# KiCad board Monorail_Steam_Reduced.kicad_pcb (continued)
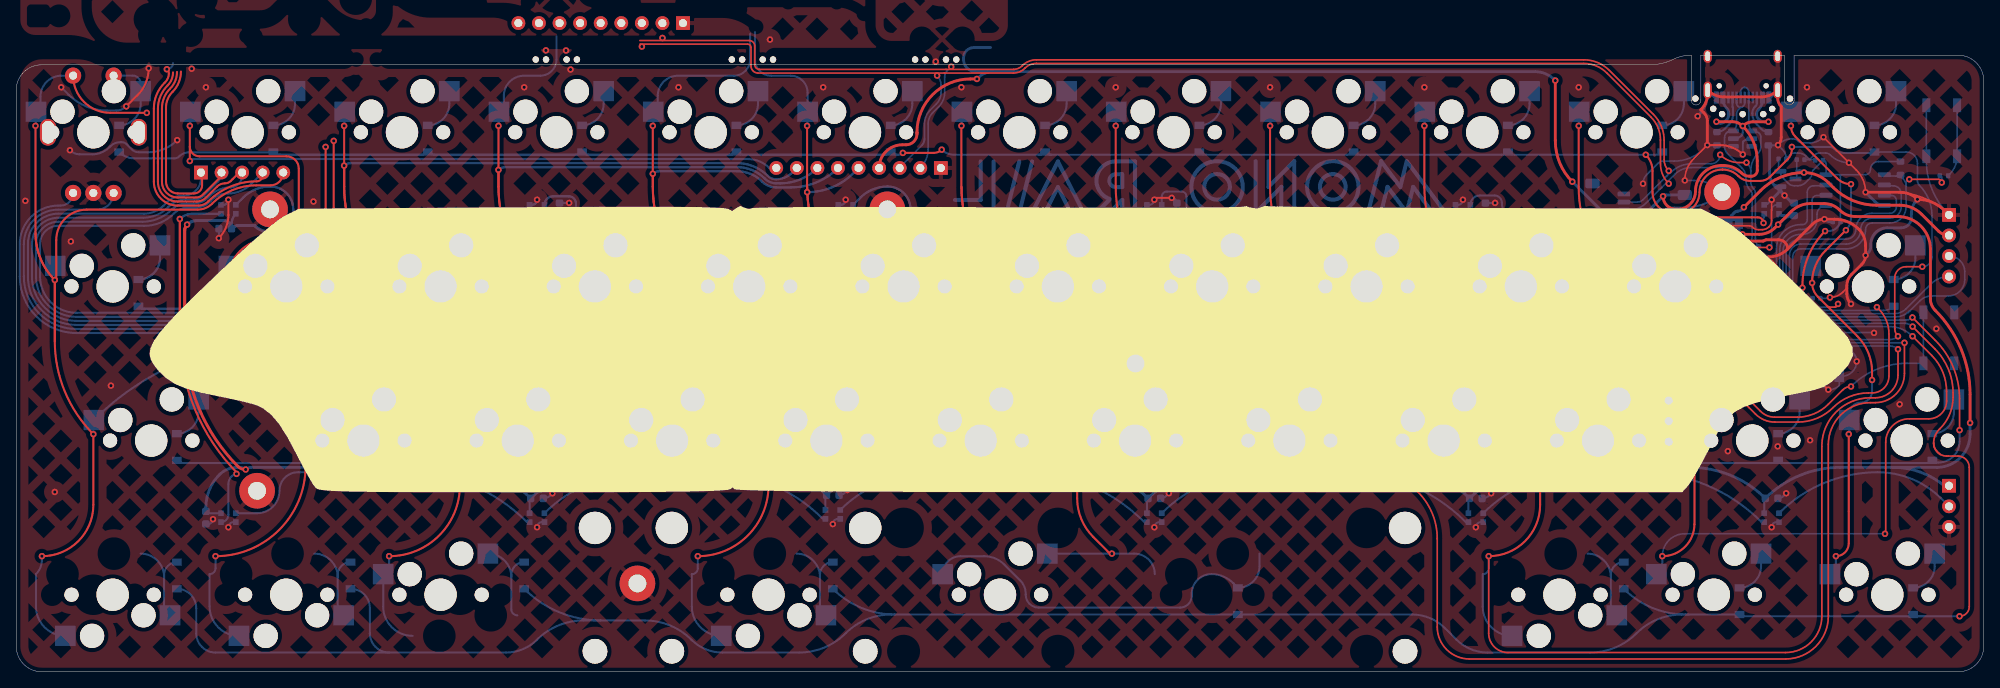
[diagram p0: board, top side]
## Routing (per net, layer and track width the routed paths; a pad name or vN(x,y) marks a point on that pad's centre or on a via; arc(x,y) is an arc through that point) (continued)
D-: length 192.7
  Top w0.2: 76.99,77.56 90.3,77.56 arc(90.59,77.44) 90.71,77.15 90.71,74.87 arc(90.97,74.25) 91.58,73.99 123.09,73.99 arc(123.86,74.14) 124.5,74.58 124.52,74.6 arc(125.17,75.03) 125.94,75.18 193.51,75.18 arc(195.04,74.88) 196.34,74.01 201.8,68.55 arc(202.67,67.25) 202.97,65.72 202.97,62.78 arc(203.24,61.45) v1(203.99,60.32)
  Bottom w0.2: 212.86,69.75 212.62,69.5 arc(212.43,69.22) 212.37,68.89 212.37,67.75 arc(212.27,67.25) U1.6 ; 212.86,69.75 212.91,69.75 arc(213.03,69.77) 213.13,69.84 213.21,69.92 arc(213.33,70.1) 213.37,70.31 J6.A7 ; 212.86,69.75 arc(212.68,69.78) 212.53,69.89 arc(212.41,70.06) 212.37,70.26 J6.B7 ; 213.52,61.12 213.52,60.85 arc(213.67,60.1) 214.09,59.46 arc(214.24,59.24) 214.29,58.98 214.29,53.87 arc(214.15,53.17) R10.2 ; 213.52,61.12 arc(213.4,61.72) 213.06,62.23 211.22,64.07 arc(210.98,64.43) 210.89,64.86 210.89,66.03 arc(210.95,66.35) 211.13,66.61 arc(211.37,66.77) 211.66,66.83 ; 213.52,61.12 arc(212.2,62) 210.64,62.31 206.77,62.31 arc(205.67,62.09) 204.74,61.47 201.22,57.94 arc(200.22,57.28) 199.05,57.05 ; J3.3 109.06,62.32 111.8,65.06 arc(112.04,65.42) 112.13,65.85 ; v1(113.68,73.68) arc(114.04,73.14) 114.17,72.5 114.17,71.58 arc(114.02,70.82) 113.58,70.17 112.85,69.44 arc(112.31,68.63) 112.12,67.67 112.12,65.85 arc(112.03,65.42) 111.79,65.06 ; 77.23,77.27 arc(77.23,77.27) v1(77.24,77.26)
ENCA: length 282.1
  Top w0.2: v1(220.43,39.5) 220.43,36.7 arc(220.14,35.99) 219.42,35.69 216.42,35.69 arc(215.87,35.58) 215.41,35.28 arc(215.16,35.1) 214.85,35.04 214.83,35.04 arc(214.05,35.2) 213.4,35.63 213.18,35.86 arc(212.87,36.06) 212.51,36.13 211.54,36.13 arc(211.11,36.05) 210.76,35.81 210.65,35.71 arc(210.12,35.35) 209.5,35.23 arc(208.76,35.38) 208.14,35.79 207.63,36.3 arc(206.3,38.29) 205.83,40.65 v1(205.83,42.1)
  Top w0.25: v1(39.19,65.61) 39.19,57.27 arc(40.23,52.04) 43.19,47.61 arc(44.49,45.67) 44.94,43.39 v1(44.94,42.11)
  Bottom w0.2: U4.15 220.36,39.43 arc(220.41,39.45) v1(220.43,39.5)
  Bottom w0.25: 48.44,41.86 45.19,41.86 arc(45.02,41.94) v1(44.94,42.11) ; 48.44,41.86 132.56,41.86 arc(133.34,42.02) 134,42.46 ; 48.44,41.86 arc(48.12,41.93) 47.84,42.11 arc(47.56,42.3) 47.24,42.36 7.44,42.36 arc(2.85,44.27) 0.94,48.86 0.94,52.86 arc(2.19,55.87) 5.19,57.11 9.96,57.11 arc(11.42,57.72) SW3.A ; v1(205.83,42.1) arc(205.57,41.92) 205.26,41.86 143.86,41.86 arc(143.08,42.02) 142.41,42.46 arc(140.53,43.72) 138.31,44.16 138.12,44.16 arc(135.89,43.72) 134.01,42.46
ENCB: length 271
  Top w0.25: v1(38.19,64.86) 38.19,56.62 arc(39.3,51.07) 42.44,46.36 arc(43.18,45.25) 43.44,43.95 v1(43.44,41.61)
  Bottom w0.2: U4.36 209.63,43.06 arc(208.58,42.85) 207.69,42.26 arc(206.7,41.6) 205.52,41.36 205.39,41.36
  Bottom w0.25: 205.39,41.36 143.8,41.36 arc(142.89,41.54) 142.11,42.06 arc(140.34,43.25) 138.25,43.66 138.17,43.66 arc(136.08,43.25) 134.31,42.06 arc(133.54,41.54) 132.62,41.36 ; 132.61,41.36 44.19,41.36 ; 44.19,41.36 31.94,41.36 arc(31.62,41.43) 31.34,41.61 arc(31.06,41.8) 30.74,41.86 ; 44.19,41.36 44.05,41.36 arc(43.72,41.43) v1(43.44,41.61) arc(43.17,41.8) 42.84,41.86 7.44,41.86 arc(2.49,43.91) 0.44,48.86 0.44,52.86 arc(1.83,56.22) 5.19,57.61 5.46,57.61 arc(6.57,58.07) SW3.B
LED1: length 269.1
  Top w0.25: 20.33,74.17 arc(20.06,72.81) 19.29,71.66 arc(18.7,70.78) 18.49,69.73 18.49,60.56 arc(18.92,59.54) 19.94,59.11 21.94,59.11 arc(22.65,59.41) 22.94,60.11 22.94,61.56 arc(22.9,61.66) J4.1
  Bottom w0.2: 205.94,42.86 207.33,42.86 arc(207.85,42.97) 208.29,43.26 arc(208.52,43.41) 208.78,43.46 U4.37
  Bottom w0.25: 205.94,42.86 143.84,42.86 arc(143.44,42.94) 143.11,43.16 arc(140.9,44.64) 138.28,45.16 138.14,45.16 arc(135.53,44.64) 133.31,43.16 arc(132.98,42.94) 132.59,42.86 ; J4.1 22.81,60.97 arc(22.19,59.48) 20.69,58.86 arc(19.54,58.63) 18.56,57.98 18.19,57.61 arc(17.09,56.87) 15.78,56.61 5.19,56.61 arc(2.54,55.51) 1.44,52.86 1.44,48.86 arc(3.2,44.62) 7.44,42.86 132.58,42.86 arc(132.97,42.94) 133.3,43.16
LED2: length 272.2
  Top w0.25: 25.35,61.7 arc(25.27,61.3) 25.04,60.96 23.05,58.97 arc(22.66,58.7) 22.19,58.61 19.94,58.61 arc(18.56,59.18) 17.99,60.56 17.99,69.65 arc(18.25,70.95) 18.99,72.06 arc(19.63,73.01) 19.85,74.13
  Bottom w0.2: 205.94,43.36 207.37,43.36 arc(207.76,43.44) 208.09,43.66 arc(208.32,43.81) 208.58,43.86 U4.38
  Bottom w0.25: 205.94,43.36 143.91,43.36 arc(143.63,43.42) 143.4,43.57 143.31,43.66 arc(141.1,45.14) 138.48,45.66 137.96,45.66 arc(135.38,45.15) 133.19,43.69 arc(132.83,43.45) 132.4,43.36 ; 133.18,43.69 arc(132.82,43.45) 132.4,43.36 7.44,43.36 arc(3.55,44.97) 1.94,48.86 1.94,52.86 arc(2.9,55.16) 5.19,56.11 15.68,56.11 arc(17.31,56.44) 18.69,57.36 18.81,57.48 arc(19.79,58.13) 20.94,58.36 21.99,58.36 arc(22.64,58.49) 23.19,58.86 24.86,60.53 arc(25.22,61.07) 25.35,61.7
LED3: length 276.5
  Top w0.25: 17.49,63.06 17.49,69.57 arc(17.81,71.13) 18.69,72.46 arc(19.19,73.2) 19.36,74.07 ; 17.49,63.06 17.49,60.56 arc(18.21,58.83) 19.94,58.11 22.24,58.11 arc(22.89,58.24) 23.44,58.61 24.78,59.95 arc(25.24,60.26) 25.78,60.36 arc(26.16,60.44) 26.49,60.66 27.28,61.45 arc(27.56,61.63) 27.89,61.7 ; 17.49,63.06 17.49,62.77
  Bottom w0.2: 205.94,43.86 207.41,43.86 arc(207.67,43.91) 207.89,44.06 arc(208.12,44.21) 208.38,44.26 U4.39
  Bottom w0.25: 205.94,43.86 144.09,43.86 arc(143.83,43.91) 143.61,44.06 arc(141.28,45.62) 138.54,46.16 137.87,46.16 arc(135.21,45.63) 132.96,44.13 arc(132.67,43.93) 132.31,43.86 ; 27.89,61.7 27.89,61.3 arc(27.46,60.28) 26.44,59.86 arc(25.06,59.59) 23.88,58.8 23.69,58.61 arc(22.86,58.06) 21.88,57.86 21,57.86 arc(20.02,57.67) 19.19,57.11 arc(17.53,56) 15.57,55.61 5.19,55.61 arc(3.25,54.81) 2.44,52.86 2.44,48.86 arc(3.91,45.33) 7.44,43.86 132.31,43.86 arc(132.66,43.93) 132.96,44.13
QSPI_CLK: length 16.4
  Bottom w0.2: U4.52 217.69,52.06 arc(218.46,53.9) 220.29,54.66 220.49,54.66 arc(221.34,55.01) 221.69,55.86 221.69,58.26 arc(221.87,58.69) 222.29,58.86 223.38,58.86 arc(223.4,58.87) U3.6
QSPI_D0: length 14.5
  Bottom w0.2: U4.53 218.09,51.86 arc(218.74,53.42) 220.29,54.06 220.49,54.06 arc(221.77,54.59) 222.29,55.86 222.29,56.51 arc(222.62,57.3) U3.5
QSPI_D1: length 26.7
  Bottom w0.2: U4.55 218.89,51.46 arc(219.3,52.45) 220.29,52.86 225.89,52.86 arc(227.17,53.39) 227.69,54.66 arc(228.1,55.65) 229.09,56.06 231.29,56.06 arc(232.28,56.47) 232.69,57.46 232.69,59.06 arc(232.4,59.77) 231.69,60.06 230.72,60.06 arc(230.64,60.09) U3.2
QSPI_D2: length 24.9
  Bottom w0.2: U4.54 218.49,51.66 arc(219.02,52.94) 220.29,53.46 225.89,53.46 arc(226.74,53.81) 227.09,54.66 arc(227.68,56.08) 229.09,56.66 231.29,56.66 arc(231.86,56.9) 232.09,57.46 232.09,58.26 arc(231.92,58.69) 231.49,58.86 230.65,58.86 arc(230.62,58.87) U3.3
QSPI_D3: length 18.1
  Bottom w0.2: U4.51 217.29,52.26 arc(218.17,54.38) 220.29,55.26 220.49,55.26 arc(220.92,55.44) 221.09,55.86 221.09,59.26 arc(221.33,59.83) 221.89,60.06 223.31,60.06 arc(223.38,60.09) U3.7
QSPI_SS: length 35.1
  Top w0.2: v1(233.69,60.86) 237.29,60.86 arc(237.58,60.75) v1(237.69,60.46)
  Bottom w0.2: U4.56 219.29,51.26 arc(219.59,51.97) 220.29,52.26 225.89,52.26 arc(227.59,52.97) 228.29,54.66 arc(228.53,55.23) 229.09,55.46 231.29,55.46 arc(232.71,56.05) 233.29,57.46 233.29,60.06 ; 233.29,60.06 233.29,60.46 arc(233.41,60.75) v1(233.69,60.86) ; 233.29,60.06 arc(232.94,60.91) 232.09,61.26 230.79,61.26 arc(230.66,61.31) U3.1 ; v1(237.69,60.46) 237.69,61.08 arc(237.63,61.24) R9.1 arc(237.36,61.38) 237.24,61.4
RGB: length 25.3
  Top w0.2: v1(216.42,52.44) 211.27,52.44 arc(210.3,52.04) 209.89,51.06 209.89,50.86 arc(209.48,49.87) v1(208.49,49.46)
  Bottom w0.2: U4.41 209.29,45.06 arc(208.3,45.47) 207.89,46.46 207.89,48.86 arc(208.07,49.29) v1(208.49,49.46) ; D27.4 217.33,57.7 arc(216.88,57.51) 216.69,57.06 216.69,52.71 arc(216.61,52.52) v1(216.42,52.44)
RGB_OUT: length 24.1
  Bottom w0.25: 238.99,20.05 237.62,21.42 arc(234.03,23.82) 229.79,24.66 arc(223.21,23.35) 217.63,19.63
ROW0: length 356
  Top w0.2: v1(235.29,50.06) 233.29,50.06 arc(232.3,49.65) 231.89,48.66 231.89,42.43 arc(232,41.91) v1(232.29,41.46)
  Top w0.25: v1(219.19,64.86) 219.19,64.57 arc(219.06,63.92) 218.69,63.36 216.49,61.16 arc(215.94,60.79) 215.29,60.66 214.04,60.66 arc(213.26,60.82) 212.59,61.26 arc(211.71,61.85) 210.66,62.06 210.59,62.06 arc(208.61,61.24) 207.79,59.26 arc(207.03,57.42) 205.19,56.66 204.59,56.66 arc(202.76,57.42) 201.99,59.26 201.99,61.88 arc(201.78,62.97) v1(201.16,63.9) ; v1(109.45,64.12) 113.28,64.12 arc(113.81,64.23) v1(114.25,64.52)
  Bottom w0.2: U4.12 231.33,41.06 arc(231.85,41.17) v1(232.29,41.46) ; D21.1 233.33,64.23 arc(234.29,63.83) 234.69,62.86 234.69,60.72 arc(234.76,60.39) 234.94,60.11 arc(236.09,58.4) 236.49,56.37 236.49,51.26 arc(236.14,50.41) v1(235.29,50.06)
  Bottom w0.25: v1(219.19,64.86) 223.84,64.86 arc(224.17,64.8) 224.44,64.61 arc(225,64.24) 225.65,64.11 229.11,64.11 arc(229.26,64.14) D21.1 arc(229.36,64.25) 229.32,64.26 ; v1(114.25,64.52) arc(114.95,64.06) 115.77,63.9 126.19,63.9 arc(126.63,63.98) D16.1 arc(127.37,63.98) 127.81,63.9 145.24,63.9 arc(145.68,63.98) D17.1 arc(146.42,63.98) 146.86,63.9 164.29,63.9 arc(164.73,63.98) D18.1 arc(165.47,63.98) 165.91,63.9 183.34,63.9 arc(183.78,63.98) D19.1 arc(184.52,63.98) 184.96,63.9 v1(201.16,63.9) 202.39,63.9 arc(202.83,63.98) D20.1 ; 127.82,63.9 arc(127.38,63.98) 127.01,64.23 arc(126.64,63.98) 126.2,63.9 ; v1(109.45,64.12) arc(109.2,63.96) 108.9,63.9 108.77,63.9 arc(108.33,63.98) 107.96,64.23 arc(107.59,63.98) 107.15,63.9 89.72,63.9 arc(89.28,63.98) 88.91,64.23 arc(88.54,63.98) 88.1,63.9 70.67,63.9 arc(70.23,63.98) 69.86,64.23 arc(69.49,63.98) 69.05,63.9 51.62,63.9 arc(51.18,63.98) 50.81,64.23 arc(50.44,63.98) 50,63.9 32.57,63.9 arc(32.13,63.98) 31.76,64.23 ; 108.76,63.9 arc(108.32,63.98) D15.1 arc(107.58,63.98) 107.14,63.9 89.71,63.9 arc(89.27,63.98) D14.1 arc(88.53,63.98) 88.09,63.9 70.66,63.9 arc(70.22,63.98) D13.1 arc(69.48,63.98) 69.04,63.9 51.61,63.9 arc(51.17,63.98) D12.1 arc(50.43,63.98) 49.99,63.9 32.56,63.9 arc(32.12,63.98) D11.1 arc(31.72,64.21) 31.67,64.2 21.34,64.2 arc(20.69,64.07) 20.13,63.7 arc(19.85,63.51) 19.53,63.45 14.59,63.45 arc(13.57,63.65) D10.1
ROW1: length 391.7
  Top w0.2: v1(229.69,45.06) 229.89,44.86 arc(230.85,43.44) 231.18,41.76 231.18,36.55 arc(230.57,35.07) 229.09,34.46 228.64,34.46 arc(226.29,33.99) 224.29,32.66 arc(222.3,31.33) 219.95,30.86 217.09,30.86 arc(215.8,31.12) 214.7,31.85 213.89,32.66 arc(212.56,33.55) 211,33.86 209.51,33.86 arc(208.2,34.12) 207.09,34.86 202.44,39.52 arc(200.56,42.34) v1(199.89,45.66)
  Bottom w0.2: 192.09,46.66 194.39,48.96 arc(194.45,49.05) D28.1 ; 192.09,46.66 197.48,46.66 arc(198.79,46.4) v1(199.89,45.66) ; 192.09,46.66 191.29,45.86 ; U4.3 222.89,44.66 ; 222.89,44.66 230.52,44.66 arc(231.2,44.8) D39.1 ; 222.89,44.66 223.21,44.66
  Bottom w0.25: D35.1 arc(131.39,44.93) 130.96,44.85 113.52,44.85 arc(113.08,44.93) D34.1 arc(112.36,44.95) 111.94,44.86 94.43,44.86 arc(94.02,44.95) D33.1 arc(93.31,44.95) 92.89,44.86 75.38,44.86 arc(74.97,44.95) D32.1 arc(74.26,44.95) 73.84,44.86 56.33,44.86 arc(55.92,44.95) D31.1 arc(55.21,44.95) 54.79,44.86 37.28,44.86 arc(36.87,44.95) D30.1 arc(36.16,44.95) 35.74,44.86 15.85,44.86 arc(15.43,44.95) D29.1 ; 131.78,45.18 arc(131.41,44.93) 130.97,44.85 ; 132.12,44.86 arc(132.38,44.91) 132.6,45.06 arc(134.93,46.62) 137.67,47.16 ; 191.29,45.86 arc(190.54,45.36) 189.65,45.18 D38.1 arc(188.54,44.93) 188.11,44.85 170.67,44.85 arc(170.23,44.93) D37.1 arc(169.49,44.93) 169.06,44.85 151.62,44.85 arc(151.18,44.93) D36.1 arc(150.46,44.95) 150.04,44.86 144.48,44.86 arc(144.22,44.91) 143.99,45.06 arc(141.67,46.62) 138.92,47.16 137.66,47.16 arc(134.92,46.62) 132.59,45.06 arc(132.37,44.91) 132.11,44.86 ; 15.09,45.18 arc(15.44,44.95) 15.86,44.86 35.75,44.86 arc(36.17,44.95) 36.52,45.18 arc(36.88,44.95) 37.29,44.86 54.8,44.86 arc(55.22,44.95) 55.57,45.18 arc(55.93,44.95) 56.34,44.86 73.85,44.86 arc(74.27,44.95) 74.62,45.18 arc(74.98,44.95) 75.39,44.86 92.9,44.86 arc(93.32,44.95) 93.67,45.18 arc(94.03,44.95) 94.44,44.86 111.95,44.86 arc(112.37,44.95) 112.72,45.18 arc(113.09,44.93) 113.53,44.85 130.97,44.85 arc(131.4,44.93) 131.77,45.18 ; 132.13,44.86 arc(132.39,44.91) 132.61,45.06 arc(134.94,46.62) 137.68,47.16 138.94,47.16 arc(141.68,46.62) 144.01,45.06 arc(144.23,44.91) 144.49,44.86
ROW2: length 255
  Top w0.2: v1(239.89,29.86) 239.89,33.74 arc(239.12,37.65) 236.9,40.96 v1(234.08,43.79)
  Bottom w0.2: U4.6 233.3,43.46 arc(233.72,43.55) v1(234.08,43.79)
  Bottom w0.25: v1(239.89,29.86) 239.89,28.46 arc(239.13,26.62) 237.29,25.86 236.81,25.86 arc(236.62,25.94) D51.1 arc(236.17,25.88) 235.73,25.8 218.29,25.8 arc(217.86,25.88) D50.1 arc(217.12,25.88) 216.68,25.8 199.24,25.8 arc(198.81,25.88) D49.1 arc(198.07,25.88) 197.63,25.8 180.19,25.8 arc(179.76,25.88) D48.1 arc(179.02,25.88) 178.58,25.8 161.14,25.8 arc(160.71,25.88) D47.1 arc(159.97,25.88) 159.53,25.8 142.09,25.8 arc(141.66,25.88) D46.1 arc(140.92,25.88) 140.48,25.8 123.04,25.8 arc(122.61,25.88) D45.1 arc(121.87,25.88) 121.43,25.8 103.99,25.8 arc(103.56,25.88) D44.1 arc(102.82,25.88) 102.38,25.8 84.94,25.8 arc(84.51,25.88) D43.1 arc(83.77,25.88) 83.33,25.8 65.89,25.8 arc(65.46,25.88) D42.1 arc(64.72,25.88) 64.28,25.8 46.84,25.8 arc(46.41,25.88) D41.1 arc(45.67,25.88) 45.23,25.8 20.65,25.8 arc(20.21,25.88) D40.1
ROW3: length 329.6
  Top w0.2: v1(234.09,42.66) 236.83,39.93 arc(238.51,37.42) 239.09,34.46 239.09,33.93 arc(238.68,31.83) 237.49,30.06 237.4,29.97 arc(236.88,29.19) 236.69,28.26 ; 237.49,26.86 237.12,27.24 arc(236.8,27.71) 236.69,28.26 ; 236.69,28.26 arc(237.16,27.13) 238.29,26.66 239.69,26.66 arc(240.68,26.25) 241.09,25.26 241.09,8.06 arc(240.74,7.21) v1(239.89,6.86)
  Bottom w0.2: U4.7 233.13,43.06 arc(233.65,42.96) v1(234.09,42.66)
  Bottom w0.25: 72.14,6.35 70.04,6.35 arc(66.93,5.73) 64.29,3.97 arc(62.54,2.79) 60.46,2.38 46.04,2.38 ; 72.14,6.35 77.59,6.35 arc(80.71,5.73) 83.34,3.97 arc(85.1,2.79) 87.18,2.38 96.64,2.38 arc(99.76,3) 102.39,4.76 arc(104.96,6.48) 107.99,7.08 108.47,7.08 ; 72.14,6.35 arc(67.03,7.37) D60.1 ; 206.44,7.08 D64.1 arc(212.97,6.92) 213.25,6.86 235.46,6.86 ; 206.44,7.08 206.1,7.08 arc(201.95,7.91) D62.1 ; 206.44,7.08 205.62,7.08 arc(202.59,6.48) 200.03,4.76 arc(197.39,3) 194.28,2.38 181.63,2.38 arc(179.56,2.79) 177.8,3.97 176.37,5.4 arc(174.51,6.64) 172.31,7.08 D63.1 108.47,7.08 ; 235.46,6.86 234.68,6.86 arc(234.4,6.92) D65.1 ; 235.46,6.86 v1(239.89,6.86) ; 46.04,2.38 24.61,2.38 arc(22.92,3.08) 22.23,4.76 22.23,7.88 arc(21.53,9.56) D58.1 ; 46.04,2.38 arc(44.35,3.08) 43.66,4.76 43.66,7.88 arc(42.96,9.56) D59.1 ; 108.47,7.08 arc(104.32,7.91) D61.1
ROW4: length 287.5
  Top w0.25: 30.43,61.7 30.43,61.34 arc(30.21,60.83) 29.69,60.61 arc(26.46,59.97) 23.72,58.14 23.69,58.11 arc(23.14,57.74) 22.49,57.61 19.94,57.61 arc(17.86,58.48) 16.99,60.56 16.99,69.62 arc(17.33,71.32) 18.29,72.76 18.39,72.86 arc(18.73,73.36) 18.84,73.96 arc(18.8,74.19) 18.66,74.39 v1(18.59,74.46)
  Bottom w0.2: 205.94,44.36 207.45,44.36 arc(207.58,44.39) 207.69,44.46 arc(207.92,44.61) 208.18,44.66 U4.40
  Bottom w0.25: 30.43,61.7 29,60.28 arc(27.71,59.41) 26.19,59.11 arc(25.04,58.88) 24.06,58.23 23.94,58.11 arc(23.11,57.56) 22.13,57.36 21.25,57.36 arc(20.27,57.17) 19.44,56.61 arc(17.78,55.5) 15.82,55.11 5.19,55.11 arc(3.6,54.45) 2.94,52.86 2.94,48.86 arc(4.26,45.68) 7.44,44.36 132.18,44.36 arc(132.52,44.43) 132.81,44.62 arc(135.07,46.13) 137.74,46.66 ; 205.94,44.36 144.29,44.36 arc(144.03,44.41) 143.81,44.56 arc(141.48,46.12) 138.74,46.66 137.74,46.66 arc(135.08,46.13) 132.81,44.62 arc(132.53,44.43) 132.19,44.36 ; v1(18.59,74.46) arc(19.13,74.68) 19.35,75.22
RUN: length 39.4
  Top w0.2: v1(226.49,35.26) arc(225.94,35.15) 225.47,34.84 223.69,33.06 arc(221.92,31.88) 219.83,31.46 217.1,31.46 arc(216.14,31.65) 215.33,32.2 212.5,35.02 arc(212.19,35.23) v1(211.83,35.3)
  Bottom w0.2: U4.26 214.89,38.9 arc(214.84,38.64) 214.7,38.42 214.55,38.27 arc(213.83,37.79) R12.2 212.98,36.45 arc(212.65,35.64) v1(211.83,35.3) ; 235.43,44.42 SWR2.2 233.4,38.12 arc(229.66,37.38) v1(226.49,35.26)
SCL: length 26.8
  Bottom w0.2: 233.55,44.4 233.77,44.62 ; 233.77,44.62 234.98,45.82 arc(235.67,46.29) 236.49,46.45 238.52,46.45 arc(239.94,47.04) 240.53,48.46 240.53,49.44 arc(239.97,50.81) J8.3 ; 233.77,44.62 arc(232.93,44.06) 231.94,43.86 U4.5
SDA: length 20.1
  Bottom w0.2: U4.4 231.85,44.26 arc(232.63,44.42) 233.29,44.86 236.34,47.91 arc(237.37,48.6) J8.4
SWCLK: length 19.6
  Bottom w0.2: U4.24 215.69,38.67 arc(215.6,38.22) 215.35,37.83 214.41,36.89 arc(213.98,36.25) 213.83,35.5 arc(213.32,34.25) 212.07,33.74 206.65,33.74 arc(205.74,33.36) 205.37,32.46 205.37,29.81 arc(204.97,28.83) SWD1.1
SWDIO: length 15
  Bottom w0.2: U4.25 215.29,38.86 arc(215.21,38.46) 214.98,38.11 213.9,37.03 arc(213.55,36.51) 213.43,35.9 arc(212.95,34.74) 211.79,34.26 204.75,34.26 arc(204.21,34.04) SWD1.3
XIN: length 9.3
  Bottom w0.2: U4.20 217.29,38.99 arc(217.5,38.49) 218.01,38.28 221.55,38.28 arc(221.65,38.23) C19.1
  Bottom w0.25: C19.1 arc(222.24,37.76) 222.89,37.63 223.68,37.63 arc(224.15,37.73) 224.54,37.99 224.88,38.33 arc(225,38.51) Y1.3
XOUT: length 4.9
  Bottom w0.2: 216.89,38.63 U4.21 216.89,38.94 arc(217.22,38.15) 218.01,37.82 219.32,37.82 arc(219.58,37.72) R13.2
Net-(C6-Pad2): length 3
  Bottom w0.25: 220.71,37.63 220.9,37.44 arc(221.27,37.19) C22.2 221.95,37.11 arc(222.7,36.96) Y1.1
Net-(D7-Pad2): length 10.6
  Bottom w0.25: SW3.S2 14.38,73.67 arc(15.08,73.39) 15.37,72.69 15.37,70.2 arc(14.59,68.31) D10.2
Net-(D8-Pad2): length 5.7
  Bottom w0.25: 34.42,71.75 34.42,70.2 arc(33.64,68.31) D11.2
Net-(D9-Pad2): length 5.7
  Bottom w0.25: 53.47,71.75 53.47,70.2 arc(52.69,68.31) D12.2
Net-(D10-Pad2): length 5.7
  Bottom w0.25: 72.52,71.75 72.52,70.2 arc(71.74,68.31) D13.2
Net-(D11-Pad2): length 5.7
  Bottom w0.25: 91.57,71.75 91.57,70.2 arc(90.79,68.31) D14.2
Net-(D12-Pad2): length 5.7
  Bottom w0.25: 110.62,71.75 110.62,70.2 arc(109.84,68.31) D15.2
Net-(D13-Pad2): length 5.7
  Bottom w0.25: 129.67,71.75 129.67,70.2 arc(128.89,68.31) D16.2
Net-(D14-Pad2): length 5.7
  Bottom w0.25: 148.72,71.75 148.72,70.2 arc(147.94,68.31) D17.2
Net-(D15-Pad2): length 5.7
  Bottom w0.25: 167.77,71.75 167.77,70.2 arc(166.99,68.31) D18.2
Net-(D16-Pad2): length 5.7
  Bottom w0.25: 186.82,71.75 186.82,70.2 arc(186.04,68.31) D19.2
Net-(D17-Pad2): length 5.7
  Bottom w0.25: 205.87,71.75 205.87,70.2 arc(205.09,68.31) D20.2
Net-(D18-Pad2): length 5.7
  Bottom w0.25: 232.06,71.75 232.06,70.2 arc(231.28,68.31) D21.2
Net-(D19-Pad2): length 11.5
  Bottom w0.25: MX30.2 17.75,51.15 arc(16.97,49.26) D29.2 ; 17.76,52.7 17.76,51.15 arc(16.98,49.26) 15.09,48.48
Net-(D20-Pad2): length 11.5
  Bottom w0.25: 39.19,52.7 39.19,51.15 arc(38.41,49.26) 36.52,48.48 ; MX29.2 39.18,51.15 arc(38.4,49.26) D30.2
Net-(D21-Pad2): length 11.5
  Bottom w0.25: MX28.2 58.23,51.15 arc(57.45,49.26) D31.2 ; 58.24,52.7 58.24,51.15 arc(57.46,49.26) 55.57,48.48
Net-(D22-Pad2): length 11.5
  Bottom w0.25: 77.29,52.7 77.29,51.15 arc(76.51,49.26) 74.62,48.48 ; MX27.2 77.28,51.15 arc(76.5,49.26) D32.2
Net-(D23-Pad2): length 11.5
  Bottom w0.25: 96.34,52.7 96.34,51.15 arc(95.56,49.26) 93.67,48.48 ; MX26.2 96.33,51.15 arc(95.55,49.26) D33.2
Net-(D24-Pad2): length 11.5
  Bottom w0.25: MX25.2 115.38,51.15 arc(114.6,49.26) D34.2 ; 115.39,52.7 115.39,51.15 arc(114.61,49.26) 112.72,48.48
Net-(D25-Pad2): length 11.5
  Bottom w0.25: MX24.2 134.43,51.15 arc(133.65,49.26) D35.2 ; 134.44,52.7 134.44,51.15 arc(133.66,49.26) 131.77,48.48
Net-(D26-Pad2): length 5.7
  Bottom w0.25: MX19.2 153.48,51.15 arc(152.7,49.26) D36.2
Net-(D27-Pad2): length 5.7
  Bottom w0.25: MX23.2 172.53,51.15 arc(171.75,49.26) D37.2
Net-(D28-Pad2): length 5.7
  Bottom w0.25: MX22.2 191.58,51.15 arc(190.8,49.26) D38.2
Net-(D29-Pad2): length 19.1
  Bottom w0.25: D28.2 200.62,52.45 arc(201.42,52.61) 202.09,53.06 202.7,53.67 arc(203.8,54.41) 205.09,54.66 208.67,54.66 arc(210.06,54.09) MX21.2 arc(210.52,53.28) 210.19,53.77
Net-(D30-Pad2): length 5.7
  Bottom w0.25: MX20.2 234.44,51.15 arc(233.66,49.26) D39.2
Net-(D31-Pad2): length 7.3
  Bottom w0.25: MX42.2 22.51,32.1 arc(21.73,30.21) D40.2 ; 22.52,32.1 22.52,33.65
Net-(D32-Pad2): length 7.3
  Bottom w0.25: MX41.2 48.7,32.1 arc(47.92,30.21) D41.2 ; 48.71,32.1 48.71,33.65
Net-(D33-Pad2): length 7.3
  Bottom w0.25: 67.76,32.1 67.76,33.65 ; MX40.2 67.75,32.1 arc(66.97,30.21) D42.2
Net-(D34-Pad2): length 7.3
  Bottom w0.25: 86.81,32.1 86.81,33.65 ; MX39.2 86.8,32.1 arc(86.02,30.21) D43.2
Net-(D35-Pad2): length 7.3
  Bottom w0.25: 105.86,32.1 105.86,33.65 ; MX38.2 105.85,32.1 arc(105.07,30.21) D44.2
Net-(D36-Pad2): length 7.3
  Bottom w0.25: MX37.2 124.9,32.1 arc(124.12,30.21) D45.2 ; 124.91,32.1 124.91,33.65
Net-(D37-Pad2): length 5.7
  Bottom w0.25: MX36.2 143.95,32.1 arc(143.17,30.21) D46.2
Net-(D38-Pad2): length 5.7
  Bottom w0.25: MX35.2 163,32.1 arc(162.22,30.21) D47.2
Net-(D39-Pad2): length 5.7
  Bottom w0.25: MX34.2 182.05,32.1 arc(181.27,30.21) D48.2
Net-(D40-Pad2): length 5.7
  Bottom w0.25: MX33.2 201.1,32.1 arc(200.32,30.21) D49.2
Net-(D41-Pad2): length 5.7
  Bottom w0.25: MX32.2 220.15,32.1 arc(219.37,30.21) D50.2
Net-(D42-Pad2): length 5.7
  Bottom w0.25: MX31.2 239.2,32.1 arc(238.42,30.21) D51.2
Net-(D43-Pad2): length 12.4
  Bottom w0.25: 18.26,11.72 18.26,11.97 arc(18.72,13.09) D58.2 ; 18.26,11.72 18.26,7.72 arc(18.47,7.2) MX55.1 ; 18.26,11.72 arc(17.41,13.76) 15.37,14.6
Net-(D44-Pad2): length 12.4
  Bottom w0.25: 39.69,11.72 39.69,7.72 arc(39.9,7.2) MX53.2 ; 39.69,11.72 39.69,11.97 arc(40.15,13.09) D59.2 ; 39.69,11.72 arc(38.84,13.76) 36.8,14.6
Net-(D45-Pad2): length 12.4
  Bottom w0.25: 61.12,11.72 61.12,11.97 arc(61.58,13.09) D60.2 ; 61.12,11.72 61.12,7.72 arc(61.33,7.2) 61.85,6.98 ; 61.12,11.72 arc(60.27,13.76) MX52.2
Net-(D47-Pad2): length 12.4
  Bottom w0.25: 99.22,11.72 99.22,11.97 arc(99.68,13.09) D61.2 ; 99.22,11.72 99.22,7.72 arc(99.43,7.2) MX49.1 ; 99.22,11.72 arc(98.37,13.76) 96.33,14.6
Net-(D48-Pad2): length 49.7
  Bottom w0.25: 153.48,14.6 153.48,13.05 arc(152.7,11.16) D63.2 150.23,10.96 arc(149,11.78) 147.55,12.07 arc(145.83,11.36) 145.12,9.64 145.12,9.38 arc(144.69,8.36) 143.67,7.94 126.21,7.94 arc(125.08,8.4) 124.62,9.52 124.62,9.62 arc(124.44,10.54) 123.92,11.31 121.98,13.25 arc(120.83,14.02) 119.48,14.29 116.58,14.29 arc(115.01,13.64) MX48.1
Net-(D50-Pad2): length 9.7
  Bottom w0.25: MX45.2 arc(197.07,7.2) 196.85,7.72 196.85,11.72 arc(196,13.76) 193.96,14.6
Net-(D51-Pad2): length 5.7
  Bottom w0.25: MX44.2 215.39,13.05 arc(214.61,11.16) D64.2
Net-(D52-Pad2): length 5.7
  Bottom w0.25: MX43.2 236.82,13.05 arc(236.04,11.16) D65.2
Net-(D56-Pad2): length 40.9
  Bottom w0.25: D56.4 179.03,18.5 arc(178.95,18.52) 178.88,18.56 arc(172.12,23.08) 164.15,24.66 153.63,24.66 arc(147.02,23.35) D55.2
Net-(D56-Pad4): length 40.8
  Bottom w0.25: D55.4 139.34,18.5 arc(139.26,18.52) 139.19,18.56 arc(132.44,23.08) 124.47,24.66 112.99,24.66 arc(106.89,23.45) D52.2
Net-(D57-Pad2): length 37.7
  Bottom w0.25: D57.4 215.54,18.5 arc(215.46,18.52) 215.39,18.56 arc(208.64,23.08) 200.67,24.66 193.32,24.66 arc(186.7,23.35) D56.2
Net-(D59-Pad2): length 41
  Top w0.25: v1(215.69,55.46) arc(215.49,55.96) 214.99,56.16 195.5,56.16 arc(194.85,56.29) v1(194.29,56.66)
  Bottom w0.2: v1(215.69,55.46) 215.69,56.51 arc(215.72,56.58) D27.2
  Bottom w0.25: 215.78,56.22 D27.2 ; v1(194.29,56.66) arc(193.3,56) 192.12,55.76 185.59,55.76 arc(184.04,56.41) 183.39,57.96 arc(183.13,58.6) 182.49,58.86 180.67,58.86 arc(179.85,58.52) D26.4
Net-(D60-Pad2): length 40.6
  Bottom w0.25: D26.2 177.3,56.22 arc(176.79,55.88) 176.19,55.76 145.85,55.76 arc(144.87,56.17) 144.46,57.15 144.46,58.74 arc(144.29,59.16) 143.86,59.34 142.04,59.34 arc(141.6,59.15) 141.41,58.7 D25.4
Net-(D61-Pad2): length 51.5
  Bottom w0.25: D24.4 104.21,58.6 arc(105.72,59.61) 107.49,59.96 107.59,59.96 arc(109.57,59.14) 110.39,57.16 arc(110.8,56.17) 111.79,55.76 138.74,55.76 arc(139.33,56.01) D25.2 ; 103.32,57.7 104.22,58.6 arc(105.73,59.61) 107.5,59.96 107.6,59.96 arc(109.58,59.14) 110.4,57.16 arc(110.81,56.17) 111.8,55.76
Net-(D62-Pad2): length 78.2
  Bottom w0.25: 101.49,56.6 100.66,56.6 arc(100.09,56.49) 99.6,56.16 arc(99.16,55.87) 98.64,55.76 70.5,55.76 arc(69.51,56.17) 69.1,57.16 69.1,57.86 arc(68.84,58.5) 68.2,58.76 66.28,58.76 arc(65.53,58.45) 65.22,57.7 ; D24.2 100.65,56.6 arc(100.08,56.49) 99.59,56.16 arc(99.15,55.87) 98.63,55.76 70.49,55.76 arc(69.5,56.17) 69.09,57.16 69.09,57.86 arc(68.83,58.5) 68.19,58.76 66.27,58.76 arc(65.52,58.45) D23.4
Net-(D63-Pad2): length 79.8
  Bottom w0.25: 27.12,57.7 28.02,58.6 arc(29.53,59.61) 31.3,59.96 31.4,59.96 arc(33.38,59.14) 34.2,57.16 arc(34.61,56.17) 35.6,55.76 62.55,55.76 arc(63.14,56.01) 63.39,56.6 ; D22.4 28.01,58.6 arc(29.52,59.61) 31.29,59.96 31.39,59.96 arc(33.37,59.14) 34.19,57.16 arc(34.6,56.17) 35.59,55.76 62.54,55.76 arc(63.13,56.01) D23.2
Net-(D64-Pad4): length 37.6
  Bottom w0.25: D52.4 99.66,18.9 arc(99.58,18.91) 99.51,18.96 arc(93.19,23.18) 85.75,24.66 77.43,24.66 arc(70.82,23.35) D54.2
Net-(D65-Pad4): length 40.8
  Bottom w0.25: D53.2 29.73,19.6 arc(31.68,20.41) 32.49,22.36 arc(33.17,23.99) 34.79,24.66 48.27,24.66 arc(56.24,23.08) 62.99,18.56 arc(63.06,18.52) 63.14,18.5 D54.4
Net-(D66-Pad4): length 65.1
  Top w0.25: 20.2,55.96 20.2,41.84 ; v1(20.19,55.96) 20.19,41.84 arc(22.06,32.44) 27.39,24.46
  Bottom w0.25: 25.29,56.6 21.74,56.6 arc(20.91,56.43) 20.2,55.96 ; D22.2 21.73,56.6 arc(20.9,56.43) v1(20.19,55.96) ; D53.4 arc(25.93,18.77) 26.19,19.41 26.19,23.2 arc(26.3,23.72) 26.59,24.16 arc(26.93,24.38) 27.32,24.46
  vias: v1(27.19,24.46)
Net-(J1-PadA5): length 5.3
  Bottom w0.25: J6.A5 211.87,69.83 arc(211.88,69.79) 211.9,69.76 arc(211.91,69.74) 211.92,69.72 211.92,68.74 arc(211.8,68.16) 211.47,67.66 210.91,67.11 arc(210.47,66.81) R6.2
Net-(J1-PadB5): length 5.4
  Bottom w0.25: J6.B5 214.87,70.24 arc(214.84,70.08) 214.75,69.95 214.65,69.85 arc(214.4,69.48) 214.32,69.05 214.32,68.99 arc(214.46,68.26) 214.88,67.64 215.46,67.05 arc(215.85,66.8) R7.2
Net-(MX49-Pad1): length 2.6
  Bottom w0.25: 196.85,11.91 196.85,11.97 arc(197.31,13.09) D62.2
Net-(R6-Pad1): length 5.8
  Bottom w0.2: U4.46 215.29,46.88 arc(215.2,47.33) 214.95,47.7 214.37,48.29 arc(214.13,48.65) 214.04,49.08 214.04,50.87 arc(213.97,51.24) R10.1
Net-(R7-Pad1): length 5.8
  Bottom w0.2: U4.47 215.69,46.91 arc(215.58,47.5) 215.24,48 214.7,48.54 arc(214.51,48.82) 214.45,49.15 214.45,49.99 arc(214.62,50.84) R11.1
Net-(R14-Pad2): length 9
  Bottom w0.2: R9.2 238.67,61.49 arc(239.35,62.51) SWR1.2 SWR1.2

## Copper pours and planes (outline as drawn; the poured copper is in the pictures)
GND on Top: 210.99,55.76 212.39,54.76 215.59,51.96 218.89,48.76 224.99,42.66 226.09,41.36 226.69,40.16 226.79,39.06 225.99,37.66 225.19,36.76 224.09,35.76 222.99,35.06 218.39,34.06 214.49,33.16 212.49,32.26 210.89,31.06 209.79,29.06 207.89,25.36 206.39,22.96 205.69,22.16 49.19,22.16 40.69,22.26 37.59,22.46 37.09,22.56 36.89,22.76 33.89,28.16 32.59,30.36 31.49,31.66 30.49,32.46 29.79,32.86 27.59,33.46 22.89,34.46 20.89,34.96 19.59,35.56 18.59,36.16 17.69,36.96 17.09,37.66 16.59,38.56 16.39,39.26 16.49,39.96 16.99,40.96 18.19,42.56 20.09,44.66 23.99,48.46 28.39,52.56 31.39,55.16 33.29,56.46 34.89,57.26 207.99,57.26
GND on Top: 208.08,118.28 266.18,96.18 251.99,-9.04 -13.81,-9.04 -10.21,106.06

## Text on the board
B.Silkscreen: + | 2023 | 5VLED | 5V GND | RST | GP2 GP3 / SDA SCL | GND RGB 5VD | Monorail Steam / Version 2.0 | EDGE RAIL
F.Fab: MX_stab
